# Altium PCB motorBoardPCB.PcbDoc (part 2 of 2)
Units mil, origin at the board's own origin, x right, y up, seen from the top; angles counter-clockwise.
Board outline 3897.64 x 2830 mil, 2 copper layers (Top Layer, Bottom Layer); 142 components, 160 nets, 622 pads, 155 vias.
Unrouted connection lines stored in the file: 22.
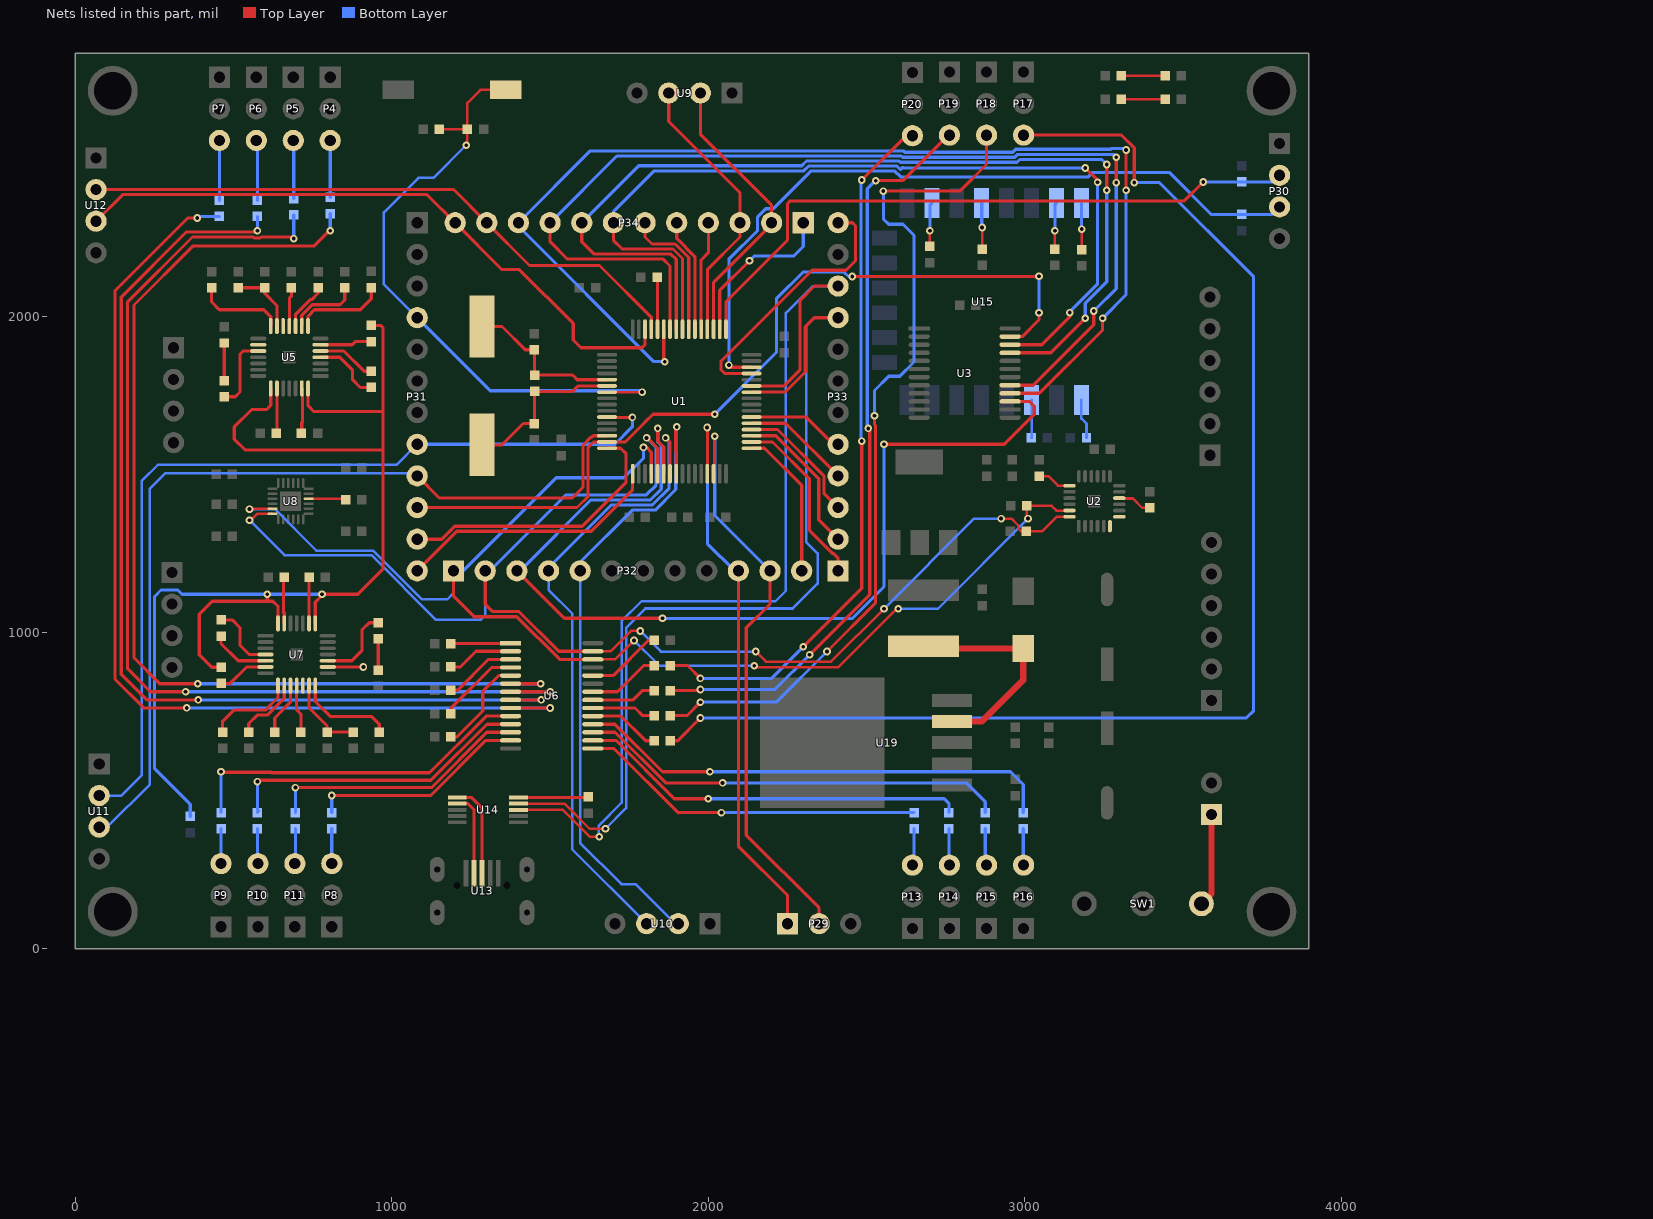
[diagram p2: the nets of this part, all layers, seen from the top]

## Via types
v1: diameter 24, hole 12, Top Layer to Bottom Layer, tented both sides, 155 vias

## Nets (pads, with @x,y where several pads share a name; then routed paths per layer and width w, separated by ;. In a path a pad name is that pad's centre, name@x,y a point inside that pad or via, vN(x,y) a via of type N, cw(c..) or ccw(c..) an arc to the next point about the centre after c; other vN are vias at no path point) (continued)
NetC3_1: C3.1 U2.19 | length 108.8
  Top Layer w8: C3.1@3045,1494.41 3074.41,1494.41 3104.6,1464.21 U2.19@3141.26,1464.21
NetC4_1: C4.1 U2.10 | length 108.9
  Top Layer w8: U2.10@3298.74,1424.84 3300,1423.59 3341.41,1423.59 3370.59,1394.41 C4.1@3395,1394.41
NetC8_1: C8.1 U5.5 | length 187.1
  Top Layer w10: U5.5@774.45,1889.69 847.94,1889.69 912.03,1825.59 C8.1@935,1825.59
NetC8_2: C8.2 U5.4 | length 217.7
  Top Layer w10: U5.4@774.45,1870 835,1870 875,1830 875,1800 900.59,1774.41 C8.2@935,1774.41
NetC9_2: C9.2 U5.6 | length 164.7
  Top Layer w10: U5.6@774.45,1909.37 874.37,1909.37 884.41,1919.41 C9.2@935,1919.41
NetC10_1: C10.1 U5.8 | length 289.3
  Top Layer w10: U5.8@735.08,1968.43 735.08,2000.08 755,2020 900,2020 935,2055 C10.1@935,2090
NetC11_1: C11.1 U7.5 | length 186.8
  Top Layer w10: C11.1@460,988.82 460,965 514.06,910.94 U7.5@600.55,910.94
NetC11_2: C11.2 U7.4 | length 218.1
  Top Layer w10: C11.2@460,1040 495,1040 520,1015 520,960 549.37,930.63 U7.4@600.55,930.63
NetC12_2: C12.2 U7.6 | length 162
  Top Layer w10: C12.2@460,839.41 489.41,839.41 541.26,891.26 U7.6@600.55,891.26
NetC13_1: C13.1 U7.8 | length 277.6
  Top Layer w10: C13.1@465,685.59 465,720 500,755 600,755 639.92,794.92 U7.8@639.92,832.2
NetC18_1: C18.1 U8.10 | length 117.9
  Top Layer w8: U8.10@737.09,1422.87 737.83,1422.13 851.69,1422.13 C18.1@853.82,1420
NetC40_1: C40.1 U14.10 | length 205.9
  Top Layer w10: U14.10@1400,479.06 C40.1@1605.94,479.06
NetD1_2: D1.2 L1.1 U19.4 | length 696.7
  Top Layer w20: L1.1@2680,956.42 2686.97,949.45 D1.2@2995,949.45 2995,850 2863.86,718.86 U19.4@2770,718.86
NetD4_1: D4.1 R56.2 | length 138.8
  Top Layer w8: R56.2@3305,2760 D4.1@3443.82,2760
NetD5_1: D5.1 R57.2 | length 138.8
  Top Layer w8: R57.2@3305,2685 D5.1@3443.82,2685
NetP26_1: P26.1 SW1.1 | length 295.2
  Top Layer w20: SW1.1@3558.04,143 3590,174.96 P26.1@3590,425
NetR5_1: R5.1 R7.1 U5.13 | length 221
  Top Layer w10: R5.1@514.16,2089.41 R7.1@598.33,2089.41 598.33,2071.67 636.65,2033.35 U5.13@636.65,1968.43
NetR8_1: R8.1 U5.9 | length 228.4
  Top Layer w10: U5.9@715.39,1968.43 715.39,2003.02 748.37,2036 836,2036 850.83,2050.83 R8.1@850.83,2089.41
NetR9_1: R9.1 U5.10 | length 153.5
  Top Layer w10: U5.10@695.71,1968.43 695.71,2005.96 741.75,2052 747,2052 766.66,2071.66 R9.1@766.66,2089.41
NetR10_2: R10.2 U6.1 | length 189.5
  Top Layer w10: R10.2@1186.18,965 1373.74,965 U6.1@1375.08,966.34
NetR11_1: R11.1 U5.11 | length 123.7
  Top Layer w10: U5.11@676.02,1968.43 676.02,2056.02 682.5,2062.5 R11.1@682.5,2089.41
NetR12_2: R12.2 U6.2 | length 209.4
  Top Layer w10: R12.2@1186.18,891.25 1216.25,891.25 1265.75,940.75 U6.2@1375.08,940.75
NetR13_2: R13.2 U6.3 | length 229.3
  Top Layer w10: R13.2@1186.18,817.5 1207.5,817.5 1305.16,915.16 U6.3@1375.08,915.16
NetR14_2: R14.2 U6.4 | length 258.9
  Top Layer w10: R14.2@1186.18,743.75 1186.18,760.18 1315.57,889.57 U6.4@1375.08,889.57
NetR15_2: R15.2 R19.1 | length 118.8
  Top Layer w10: R19.1@470,1796.18 R15.2@470,1915
NetR16_2: R16.2 U6.5 | length 305.6
  Top Layer w10: R16.2@1186.18,670 1205,670 1287,752 1287,814 1336.98,863.98 U6.5@1375.08,863.98
NetR17_2: R17.2 U6.24 | length 239.9
  Top Layer w10: U6.24@1634.92,863.98 1698.98,863.98 1810,975 R17.2@1828.82,975
NetR18_2: R18.2 U6.6 | length 3300
  Top Layer w10: v1(386.61,838.39) 266.39,838.39 185,919.77 185,2035 372,2222 754.47,2222 802.47,2270 v1(805,2270) ; U6.6@1375.08,838.39 v1(1470,838.39)
  Bottom Layer w10: v1(386.61,838.39) v1(1470,838.39) ; v1(805,2270) R18.2@805,2323.82
NetR19_2: R19.2 U5.17 | length 237.8
  Top Layer w10: R19.2@470,1745 505,1745 520,1760 520,1880 529.68,1889.69 U5.17@577.6,1889.69
NetR20_2: R20.2 U6.7 | length 3340.2
  Top Layer w10: v1@348.95,813 v1(348,813) 237,813 165,885 165,2045 370,2250 562.47,2250 565.47,2247 584.53,2247 587.53,2250 685,2250 v1(690,2245) ; U6.7@1375.08,812.8 v1(1500,812.8)
  Bottom Layer w10: v1(348,813) 447.59,813 447.8,812.8 v1(1500,812.8) ; v1(690,2245) R20.2@690,2320
NetR21_2: R21.2 U6.22 | length 228.3
  Top Layer w10: U6.22@1634.92,812.8 1712.8,812.8 1795.82,895.82 R21.2@1828.82,895.82
NetR24_2: R24.2 U6.8 | length 3211.8
  Top Layer w10: v1(388,787.2) 225.8,787.2 145,868 145,2060 351,2266 571,2266 v1(575,2270) ; U6.8@1375.08,787.2 v1(1472.2,787.2)
  Bottom Layer w10: v1(388,787.2) v1(1472.2,787.2) ; v1(575,2270) R24.2@575,2315
NetR25_2: R25.2 U6.21 | length 206.1
  Top Layer w10: U6.21@1634.92,787.2 1762.2,787.2 1791.64,816.64 R25.2@1828.82,816.64
NetR26_2: R26.2 U6.9 | length 3192.3
  Top Layer w10: v1(352,762) 216,762 125,853 125,2080.25 354.75,2310 v1(385,2310) ; U6.9@1375.08,761.61 v1(1500,761.61)
  Bottom Layer w10: v1(352,762) 352.39,761.61 v1(1500,761.61) ; v1(385,2310) 390,2315 R26.2@455,2315
NetR27_2: R27.2 U6.20 | length 203.9
  Top Layer w10: U6.20@1634.92,761.61 1768.39,761.61 1792.54,737.46 R27.2@1828.82,737.46
NetR28_2: R28.2 U6.10 | length 1119.3
  Top Layer w10: v1(460,560) 461.37,558.63 618.85,558.63 620.47,557 1118.74,557 1297.76,736.02 U6.10@1375.08,736.02
  Bottom Layer w10: R28.2@460,431.18 v1(460,560)
NetR29_2: R29.2 U6.19 | length 226.1
  Top Layer w10: U6.19@1634.92,736.02 1723.98,736.02 1801.72,658.28 R29.2@1828.82,658.28
NetR30_2: R30.2 U6.11 | length 977.2
  Top Layer w10: v1(575,529) 579,533 1123,533 1300.43,710.43 U6.11@1375.08,710.43
  Bottom Layer w10: R30.2@575,431.18 580,436.18 575,441.18 v1(575,529)
NetR31_2: R31.2 U6.18 | length 1527.8
  Top Layer w10: U6.18@1634.92,710.43 1704.57,710.43 1855,560 v1(2005,560)
  Bottom Layer w10: v1(2005,560) 2955,560 2995,520 R31.2@2995,431.18
NetR32_2: R32.2 U6.12 | length 831.3
  Top Layer w10: v1(695,510) 1125,510 1299.84,684.84 U6.12@1375.08,684.84
  Bottom Layer w10: R32.2@695,431.18 v1(695,510)
NetR33_2: R33.2 U6.17 | length 1365
  Top Layer w10: U6.17@1634.92,684.84 1705.16,684.84 1865,525 v1(2045,525)
  Bottom Layer w10: v1(2045,525) 2815,525 2875,465 R33.2@2875,431.18
NetR34_2: R34.2 U6.13 | length 691.1
  Top Layer w10: v1(810,485) 1122.63,485 1296.88,659.25 U6.13@1375.08,659.25
  Bottom Layer w10: R34.2@810,431.18 v1(810,485)
NetR35_2: R35.2 U6.16 | length 1236.4
  Top Layer w10: U6.16@1634.92,659.25 1708.12,659.25 1892.37,475 v1(2000,475)
  Bottom Layer w10: v1(2000,475) 2745,475 2760,460 R35.2@2760,431.18
NetR36_2: R36.2 U6.15 | length 1099.9
  Top Layer w10: U6.15@1634.92,633.66 1701.34,633.66 1905,430 1906.18,431.18 v1(2041.18,431.18)
  Bottom Layer w10: v1(2041.18,431.18) R36.2@2650,431.18
NetR37_1: R37.1 R39.1 U7.13 | length 252.6
  Top Layer w10: U7.13@738.35,832.2 738.35,761.65 795,705 R39.1@795,685.59 R37.1@877.5,685.59
NetR40_1: R40.1 U7.9 | length 212.2
  Top Layer w10: R40.1@547.5,685.59 547.5,712.5 574,739 606.63,739 659.61,791.98 U7.9@659.61,832.2
NetR41_1: R41.1 U7.10 | length 167
  Top Layer w10: R41.1@630,685.59 630,730 679.29,779.29 U7.10@679.29,832.2
NetR42_1: R42.1 U7.11 | length 152.2
  Top Layer w10: U7.11@698.98,832.2 698.98,756.02 712.5,742.5 R42.1@712.5,685.59
NetR43_2: R43.2 R44.1 | length 98.8
  Top Layer w10: R43.2@957,881.18 R44.1@957,980
NetR44_2: R44.2 U7.17 | length 247.5
  Top Layer w10: U7.17@797.4,910.94 872.94,910.94 905,943 905,1008 928.18,1031.18 R44.2@957,1031.18
NetR48_2: R48.2 U15.2 | length 139.7
  Top Layer w8: R48.2@2700,2220 v1(2700,2270)
  Bottom Layer w10: v1(2700,2270) 2700,2350.75 U15.2@2706.3,2357.05
NetR49_2: R49.2 U15.4 | length 136.4
  Top Layer w8: R49.2@2865,2221.18 v1(2865,2280)
  Bottom Layer w10: U15.4@2863.78,2357.05 2863.78,2281.22 v1(2865,2280)
NetR53_1: R53.1 U15.11 | length 120.5
  Bottom Layer w8: R53.1@3020,1615 3021.26,1616.26 U15.11@3021.26,1735
NetR54_1: R54.1 U15.9 | length 126.7
  Bottom Layer w8: U15.9@3178.74,1735 3178.74,1676.26 3195,1660 R54.1@3195,1615
NetR61_1: R61.1 U1.60 | length 163.5
  Top Layer w10: U1.60@1839.45,1958.5 R61.1@1839.45,2122
NetU13_2: U13.2 U14.2 | length 261.4
  Top Layer w10: U14.2@1207.01,459.37 1240.63,459.37 1259.41,440.59 U13.2@1259.41,239.41
NetU13_3: U13.3 U14.1 | length 297.7
  Top Layer w10: U14.1@1207.01,479.06 1250.94,479.06 1285,445 U13.3@1285,239.41
OSCIN: C58.2 R60.2 U1.5 X1.2 | length 509.2
  Top Layer w10: X1.2@1285,1967.01 1347.99,1967.01 1421.18,1893.82 C58.2@1450,1893.82 1451,1892.82 R60.2@1451,1813 ; R60.2@1454.59,1816.59 1457.18,1814 1571,1814 1585.94,1799.06 U1.5@1680,1799.06
OSCOUT: C59.2 R60.1 U1.6 X1.1 | length 523.8
  Top Layer w10: X1.1@1285,1592.99 1347.99,1592.99 1415.59,1660.59 C59.2@1450,1660.59 1451,1661.58 R60.1@1451,1761.82 ; R60.1@1458,1762 1572,1762 1589.37,1779.37 U1.6@1680,1779.37
PA0: P31.9 U1.14 U11.3 | length 2808.2
  Top Layer w10: P31.9@1080,1495 1150,1425 1570,1425 1604,1459 1604,1591.63 1630.58,1618.2 1633.2,1618.2 1636.89,1621.89 U1.14@1680,1621.89
  Bottom Layer w8: U11.3@75,385 100,385 235,520 235,1455 284,1504 1071,1504 P31.9@1080,1495
PA1: P31.10 U1.15 U3.23 | length 2721.4
  Top Layer w10: P31.10@1080,1395 1585,1395 1620,1430 1620,1585 1637.2,1602.2 U1.15@1680,1602.2 1737.36,1602.2 1799,1663.85 1799,1664 1825,1690 v1(2020,1690) ; v1(2455,2125) 3044,2125 v1(3045,2126) ; U3.23@2953.7,1935.16 2992.16,1935.16 3045,1988 v1(3045,2010.5)
  Bottom Layer w10: v1(2020,1690) 2215,1885 2215,2055 2299.46,2139.46 2428.42,2139.46 2442.88,2125 v1(2455,2125) ; v1(3045,2010.5) v1(3045,2126)
PA2: P31.11 U1.16 | length 891.8
  Top Layer w10: P31.11@1080,1295 1157.37,1295 1198.37,1336 1601,1336 1740,1475 1740,1565 1722.48,1582.52 U1.16@1680,1582.52
PA3: P31.12 U1.17 | length 837.7
  Top Layer w10: P31.12@1080,1195 1205,1320 1630,1320 1760.71,1450.71 U1.17@1760.71,1501.81
PA4: P32.1 R2.1 U1.20 U2.23 U6.26 U8.23 | length 4210.6
  Top Layer w8: v1(550,1390) 551.38,1391.38 U8.23@622.91,1391.38 ; U6.26@1634.92,915.16 1705.16,915.16 v1(1765,975) ; v1(2145,895) 2150,890 2410,890 2595,1075 v1(2600,1075) ; v1(3010,1360) 3006.18,1363.82 R2.1@3006.18,1400 3085,1400 3099.53,1385.47 U2.23@3141.26,1385.47
  Top Layer w10: P32.1@1195,1195 1195,1115 1260,1050 1395,1050 1529.84,915.16 U6.26@1634.92,915.16 ; v1(1795,1585) 1804.76,1585 1819.76,1570 U1.20@1819.76,1501.81
  Bottom Layer w8: v1(550,1390) 630,1390 761,1259 940.8,1259 1094.8,1105 1175,1105 1195,1125 P32.1@1195,1195 ; v1(1765,975) 1845,895 v1(2145,895) ; v1(2600,1075) 2725,1075 v1(3010,1360)
  Bottom Layer w10: P32.1@1195,1195 1225,1195 1519,1489 1733,1489 1795,1551 v1(1795,1585)
PA5: P32.2 R1.1 U1.21 U2.24 U6.27 U8.24 | length 4353.7
  Top Layer w8: v1(550,1355) 555,1355 575.63,1375.63 U8.24@622.91,1375.63 ; U6.27@1634.92,940.75 1690.75,940.75 1755,1005 v1(1785,1005) ; v1(2150,940) 2182,908 2388,908 v1(2555,1075) ; v1(2925,1360) 2957.96,1360 2978.82,1339.14 2978.82,1330 2988.82,1320 R1.1@3005,1320 3055,1320 3100.79,1365.79 U2.24@3141.26,1365.79
  Top Layer w10: P32.2@1295,1195 1295,1090 1319,1066 1401.63,1066 1526.88,940.75 U6.27@1634.92,940.75 ; v1(1805,1615) 1807.37,1615 1839.45,1582.92 U1.21@1839.45,1501.81
  Bottom Layer w8: v1(550,1355) 660,1245 935,1245 1140,1040 1280,1040 1295,1055 P32.2@1295,1195 ; v1(1785,1005) 1850,940 v1(2150,940) ; v1(2555,1075) 2840,1360 v1(2925,1360)
  Bottom Layer w10: P32.2@1295,1195 1310,1195 1550,1435 1804,1435 1835,1466 1835,1585 v1(1805,1615)
PA6: P32.3 U1.22 U3.15 | length 3248.8
  Top Layer w10: P32.3@1395,1195 1545,1045 v1(1855,1045) ; v1(1840,1645) 1840,1605 1859.13,1585.87 U1.22@1859.13,1501.81 ; v1(2555,1595) 2935,1595 3030,1690 3030,1715 3014.57,1730.43 U3.15@2953.7,1730.43
  Bottom Layer w10: P32.3@1395,1195 1405,1205 1415,1205 1629,1419 1816.63,1419 1851,1453.37 1851,1591.63 1840,1602.63 v1(1840,1645) ; v1@1855,1050 1861,1044 2454,1044 2555,1145 v1(2555,1595)
PA7: P32.4 U1.23 U10.3 | length 2021
  Top Layer w10: v1(1865,1615) 1878.82,1601.18 U1.23@1878.82,1501.81
  Bottom Layer w8: P32.4@1495,1195 1495,1135 1570,1060 1570,315 U10.3@1805,80
  Bottom Layer w10: P32.4@1495,1195 1495,1205 1693,1403 1823.25,1403 1876,1455.75 1876,1604 v1(1865,1615)
PA9: P33.9 U1.42 U14.9 | length 3027
  Top Layer w8: U14.9@1400,459.37 1545.63,459.37 1625,380 v1(1675,380)
  Top Layer w10: U1.42@2136.69,1759.69 2242.31,1759.69 2306,1823.37 2306,1966 2335,1995 P33.9@2410,1995
  Bottom Layer w8: v1(1675,380) 1740,445 1740,1015 1801,1076 2266,1076 2345,1155 2345,1250 2310,1285 2310,1970 2335,1995 P33.9@2410,1995
PA10: P33.10 U1.43 U14.8 | length 3172
  Top Layer w8: U14.8@1400,439.69 1540.32,439.69 1625,355 v1(1655,355)
  Top Layer w10: U1.43@2136.69,1779.37 2239.37,1779.37 2290,1830 2290,2050 2335,2095 P33.10@2410,2095
  Bottom Layer w8: v1(1655,355) 1653,357 1653,389.11 1726,462.11 1726,1036 1789,1099 2212,1099 2245,1132 2245,2010 2330,2095 P33.10@2410,2095
PA12: P33.12 U1.45 | length 854.4
  Top Layer w10: U1.45@2136.69,1818.74 2051.26,1818.74 2040,1830 2040,1857.37 2327.63,2145 2435,2145 2465,2175 2465,2285 2455,2295 P33.12@2410,2295
PA13: P30.3 R64.2 U1.46 | length 2367.8
  Top Layer w10: v1(2065,1845) 2071.57,1838.43 U1.46@2136.69,1838.43
  Bottom Layer w10: v1(2065,1845) 2065,2180 2155.54,2270.54 2155.54,2313.42 2181.58,2339.46 2204.72,2339.46 2323.25,2458 2589.53,2458 2607.53,2440 3201,2440 3215,2454 3456,2454 3588.82,2321.18 R64.2@3685,2321.18 3781.18,2321.18 P30.3@3805,2345
PA14: P30.2 R63.2 U1.49 | length 2069.1
  Top Layer w10: U1.49@2055.98,1958.5 2055.98,2045.98 2250,2240 2250,2355 2259,2364 3504,2364 v1(3563.82,2423.82)
  Bottom Layer w10: v1(3563.82,2423.82) R63.2@3685,2423.82 3783.82,2423.82 P30.2@3805,2445
PA15: P34.1 U1.50 | length 518.9
  Top Layer w10: U1.50@2036.3,1958.5 2036.3,2081.3 v1(2130,2175)
  Bottom Layer w10: v1(2130,2175) 2145,2190 2270,2190 2300,2220 P34.1@2300,2295
PB3: P34.6 U1.55 | length 436.3
  Top Layer w10: P34.6@1800,2295 1800,2250 1822,2228 1894.88,2228 1937.87,2185.01 U1.55@1937.87,1958.5
PB4: P34.7 U1.56 U3.22 | length 2864
  Top Layer w10: P34.7@1700,2295 1700,2240 1728,2212 1888.25,2212 1918.19,2182.07 U1.56@1918.19,1958.5 ; U3.22@2953.7,1909.57 3053.57,1909.57 3144.12,2000.12 3142,2002.24 v1(3142,2011) ; v1(3191,2468) 3230,2429 v1(3230,2423)
  Bottom Layer w10: P34.7@1700,2295 1700,2330 1829,2459 2301.63,2459 2316.63,2474 2596.15,2474 2607.15,2463 2614.15,2470 2616.15,2468 v1(3191,2468) ; v1(3142,2011) 3142,2013.63 3230,2101.63 v1(3230,2423)
PB5: P34.8 U1.57 U3.21 | length 3150.7
  Top Layer w10: P34.8@1600,2295 1600,2235 1639,2196 1881.63,2196 1898.5,2179.12 U1.57@1898.5,1958.5 ; U3.21@2953.7,1883.98 3081.98,1883.98 v1(3191,1993) ; v1@3259,2395 v1(3259,2398) v1(3259,2479)
  Bottom Layer w10: P34.8@1600,2295 1780,2475 2295,2475 2310,2490 2602.78,2490 2606.78,2486 2975.37,2486 2984.37,2495 3243,2495 v1(3259,2479) ; v1(3191,1993) 3191,2040 3259,2108 v1@3259,2395
PB6: P34.9 U1.58 U3.17 | length 3457.8
  Top Layer w10: P34.9@1500,2295 1500,2235 1555,2180 1857,2180 1878.82,2158.18 U1.58@1878.82,1958.5 ; U3.17@2953.7,1781.61 3026.61,1781.61 3218,1973 v1(3218,2016) ; v1@3289,2416 v1(3289,2422) v1(3289,2502)
  Bottom Layer w10: P34.9@1500,2295 1711,2506 2609.41,2506 2613.41,2502 2968.75,2502 2977.75,2511 3280,2511 v1(3289,2502) ; v1(3218,2016) 3289,2087 v1@3289,2416
PB7: P34.10 U1.59 U3.16 | length 3751.5
  Top Layer w10: U1.59@1859.13,1958.5 1859.13,1858.87 v1(1862,1856) ; U3.16@2953.7,1756.02 3046.02,1756.02 3246,1956 v1(3246,1993) ; v1@3320,2396 v1(3320,2398) v1(3320,2525)
  Bottom Layer w10: v1(1862,1856) 1828,1856 1400,2284 P34.10@1400,2295 1627,2522 2616.04,2522 2620.04,2518 2962.12,2518 2971.12,2527 3271.47,2527 3274.47,2530 3315,2530 v1(3320,2525) ; v1(3246,1993) 3320,2067 v1@3320,2396
PB8: P34.11 U1.61 U12.2 | length 1959.7
  Top Layer w10: U12.2@65,2400 1195,2400 P34.11@1300,2295 1435,2160 1656,2160 1819.76,1996.24 U1.61@1819.76,1958.5
PB9: P34.12 U1.62 U12.3 | length 2053.6
  Top Layer w10: U12.3@65,2300 149,2384 1111,2384 P34.12@1200,2295 1348,2147 1403,2147 1573,1977 1573,1924.63 1597.63,1900 1790,1900 1800.08,1910.08 U1.62@1800.08,1958.5
PB10: P29.1 P32.10 U1.29 | length 1828
  Top Layer w10: v1(1996,1648) 1997,1648 1997,1501.88 U1.29@1996.93,1501.81 ; P32.10@2095,1195 2095,325 2250,170 P29.1@2250,80
  Bottom Layer w10: v1(1996,1648) 1997,1648 1997,1281 2083,1195 P32.10@2095,1195
PB11: P29.2 P32.11 U1.30 | length 1858.4
  Top Layer w10: U1.30@2016.61,1501.81 2019.39,1504.59 2019.39,1619.39 v1(2020,1620) ; P32.11@2195,1195 2195,1090 2120,1015 2120,360 2350,130 P29.2@2350,80
  Bottom Layer w10: v1(2020,1620) 2020,1370 P32.11@2195,1195
PB12: P32.12 U1.33 | length 477
  Top Layer w10: U1.33@2136.69,1582.52 2177.48,1582.52 2295,1465 P32.12@2295,1195
PB13: P33.1 U1.34 | length 560.8
  Top Layer w10: U1.34@2136.69,1602.2 2202.8,1602.2 2320,1485 2320,1322.12 2391.58,1250.54 2394.46,1250.54 2410,1235 P33.1@2410,1195
PB14: P33.2 U1.35 | length 484.9
  Top Layer w10: U1.35@2136.69,1621.89 2213.11,1621.89 2349,1486 2349,1356 P33.2@2410,1295
PB15: P33.3 U1.36 | length 407.7
  Top Layer w10: U1.36@2136.69,1641.57 2218.43,1641.57 2365,1495 2365,1440 P33.3@2410,1395
PC3: P31.8 U1.11 U11.2 | length 2822.7
  Top Layer w10: U1.11@1680,1680.94 1680.94,1680 v1(1760,1680)
  Bottom Layer w8: U11.2@75,485 145,485 210,550 210,1480 260,1530 1015,1530 P31.8@1080,1595
  Bottom Layer w10: P31.8@1080,1595 1705,1595 1760,1650 v1(1760,1680)
PC4: P32.5 U1.24 U10.2 | length 2049.8
  Top Layer w10: U1.24@1898.5,1501.81 1898.5,1572.44 1897,1573.94 1897,1647 v1(1900,1650)
  Bottom Layer w8: P32.5@1595,1195 1595,335 1725,205 1770,205 1895,80 U10.2@1905,80
  Bottom Layer w10: P32.5@1595,1195 1595,1223 1759,1387 1832,1387 1897,1452 1897,1647 v1(1900,1650)
PC6: P33.4 U1.37 | length 342.2
  Top Layer w10: U1.37@2136.69,1661.26 2243.74,1661.26 P33.4@2410,1495
PC7: P33.5 U1.38 | length 308.9
  Top Layer w10: U1.38@2136.69,1680.94 2309.06,1680.94 2395,1595 P33.5@2410,1595
PC10: P34.2 U1.51 U9.2 | length 915.7
  Top Layer w10: U9.2@1975,2705 1975,2575 2200,2350 P34.2@2200,2295 2200,2290 2016.61,2106.61 U1.51@2016.61,1958.5
PC11: P34.3 U1.52 U9.3 | length 882.4
  Top Layer w10: U9.3@1875,2705 1875,2615 2100,2390 P34.3@2100,2295 2100,2250 1996.93,2146.93 U1.52@1996.93,1958.5
PC12: P34.4 U1.53 | length 345.9
  Top Layer w10: U1.53@1977.24,1958.5 1977.24,2177.24 2000,2200 P34.4@2000,2295
PD2: P34.5 U1.54 | length 360.3
  Top Layer w10: P34.5@1900,2295 1900,2245.51 1957.56,2187.95 U1.54@1957.56,1958.5
PWM1: P4.3 R18.1 | length 180
  Bottom Layer w10: R18.1@805,2375 P4.3@805,2555
PWM2: P5.3 R20.1 | length 184.5
  Bottom Layer w10: P5.3@688.33,2555 690,2553.33 R20.1@690,2371.18
PWM3: P6.3 R24.1 | length 190.2
  Bottom Layer w10: P6.3@571.67,2555 575,2551.67 R24.1@575,2366.18
PWM4: P7.3 R26.1 | length 188.8
  Bottom Layer w10: R26.1@455,2366.18 P7.3@455,2555
PWM5: P9.3 R28.1 | length 110
  Bottom Layer w10: P9.3@460,270 R28.1@460,380
PWM6: P10.3 R30.1 | length 110.7
  Bottom Layer w10: R30.1@575,380 575,271.67 P10.3@576.67,270
PWM7: P11.3 R32.1 | length 110.7
  Bottom Layer w10: P11.3@693.33,270 695,271.67 R32.1@695,380
PWM8: P8.3 R34.1 | length 110
  Bottom Layer w10: P8.3@810,270 R34.1@810,380
PWM9: P13.3 R36.1 | length 117.1
  Bottom Layer w10: P13.3@2645,265 2650,270 R36.1@2650,380
PWM10: P14.3 R35.1 | length 115.8
  Bottom Layer w10: R35.1@2760,380 2760,267.02 P14.3@2762.02,265
PWM11: P15.3 R33.1 | length 116.7
  Bottom Layer w10: R33.1@2875,380 2875,269.04 P15.3@2879.04,265
PWM12: P16.3 R31.1 | length 115.4
  Bottom Layer w10: R31.1@2995,380 2995,266.06 P16.3@2996.06,265
PWM13: P17.3 R29.1 | length 4229.8
  Top Layer w10: R29.1@1880,658.28 1903.28,658.28 v1(1975,730) ; P17.3@2996.06,2571.81 3305.72,2571.81 3346,2531.53 v1(3346,2422)
  Bottom Layer w10: v1(1975,730) 3700,730 3723,753 3723,2124 3425,2422 v1(3346,2422)
PWM14: P18.3 R27.1 | length 2691
  Top Layer w10: R27.1@1880,737.46 1932.46,737.46 v1(1975,780) ; v1(2375,940) 2528,1093 2528,1654.53 2525,1657.53 v1(2525,1685) ; v1(2553,2395) 2795,2395 2879.04,2479.04 P18.3@2879.04,2571.81
  Bottom Layer w10: v1(1975,780) 2215,780 v1(2375,940) ; v1(2525,1685) 2525,1765 2570,1810 2605,1810 2650,1855 2650,2255 2615,2290 2570,2290 2553,2307 v1(2553,2395)
PWM15: P19.3 R25.1 | length 2371.3
  Top Layer w10: R25.1@1880,816.64 1971.64,816.64 v1(1975,820) ; v1(2320,930) 2510,1120 2510,1640 v1(2505,1645) ; v1(2529,2428) 2613.79,2428 2757.6,2571.81 P19.3@2762.02,2571.81
  Bottom Layer w10: v1(1975,820) 2210,820 v1(2320,930) ; v1(2505,1645) 2502,1648 2502,2402 2528,2428 v1(2529,2428)
PWM16: P20.3 R21.1 | length 2250.4
  Top Layer w10: R21.1@1880,895.82 1934.18,895.82 v1(1975,855) ; v1(2300,955) 2485,1140 v1(2485,1605) ; v1(2485,2430) 2625,2570 P20.3@2645,2570
  Bottom Layer w10: v1(1975,855) 2200,855 v1(2300,955) ; v1(2485,1605) 2482,1608 2482,2427 v1(2485,2430)
RESET: C60.2 P31.4 R65.2 RESET.2 U1.7 | length 2005.6
  Top Layer w8: C60.2@1150,2590 R65.2@1238.82,2590 ; v1(1235,2540) 1238.82,2543.82 R65.2@1238.82,2590 ; RESET.2@1360,2715 1280,2715 1238.82,2673.82 R65.2@1238.82,2590 ; U1.7@1680,1759.69 v1(1790.68,1759.69)
  Bottom Layer w8: P31.4@1080,1995 975,2100 975,2328 1084,2437 1132,2437 v1(1235,2540)
  Bottom Layer w10: P31.4@1080,1995 1311,1764 1786.37,1764 v1(1790.68,1759.69)
RST1: U5.12
RST2: U7.12
S1: R23.1 R46.1 U5.23 U7.23 | length 288.2
  Top Layer w10: R23.1@635,1630 636.65,1631.65 U5.23@636.65,1771.57 ; U7.23@738.35,1029.06 R46.1@738.35,1175
S2: R22.1 R45.1 U5.27 U7.27 | length 293.7
  Top Layer w10: U7.27@659.61,1029.06 660,1029.45 660,1062.47 657,1065.47 657,1172 R45.1@660,1175 ; U5.27@715.39,1771.57 718,1768.97 718,1665.47 715.39,1662.87 715.39,1633.43 R22.1@718.82,1630
SLP: R6.1 R38.1 U5.14 U7.14 | length 586.9
  Top Layer w10: R6.1@429.99,2089.41 429.99,2045.01 455,2020 595,2020 616.97,1998.03 U5.14@616.97,1968.43 ; U7.14@758.03,832.2 758.03,781.97 805,735 935,735 960,710 R38.1@960,685.59
STEP1: U5.16
STEP2: U7.16 | length 112.6
  Top Layer w10: U7.16@797.4,891.26 v1(910,891.26)
VMM: C9.1 C12.1 R58.1 U5.22 U5.28 U7.22 U7.28 | length 3993.1
  Top Layer w10: C12.1@460,890.59 430.41,890.59 391,930 391,1058 432,1099 604,1099 ; v1(606,1121) 606,1101 604,1099 ; U5.22@616.97,1771.57 616.97,1717.97 604,1705 557,1705 502,1650 502,1611 536,1577 971.54,1577 ; U7.28@639.92,1029.06 639.92,1083.08 624,1099 604,1099 ; U5.28@735.08,1771.57 735.08,1716.92 754,1698 970,1698 ; U7.22@758.03,1029.06 758.03,1096.03 779,1117 v1(779,1121) 892,1121 971.54,1200.54 971.54,1577 ; C9.1@935,1970.59 964.41,1970.59 971.54,1963.46 971.54,1577 ; 972,1577 971.54,1577
  Bottom Layer w10: R58.1@363,419.18 363,457 250,570 250,1114 270.46,1134.46 323.42,1134.46 336.88,1121 v1(606,1121) v1(779,1121)
WIFI_RXD: R52.2 U15.7 | length 147.9
  Top Layer w8: R52.2@3095,2211.18 v1(3095,2270)
  Bottom Layer w10: v1(3095,2270) 3095,2352.05 U15.7@3100,2357.05
WIFI_TXD: R55.2 U15.8 | length 147.6
  Top Layer w8: R55.2@3180,2210 v1(3180,2275)
  Bottom Layer w10: U15.8@3178.74,2357.05 3178.74,2276.26 v1(3180,2275)
XCL: U2.7
XDA: U2.6
pads on no net: SW1.3 U1.1 U2.2 U2.3 U2.4 U2.5 U2.14 U2.15 U2.16 U2.17 U2.20 U2.21 U2.22 U2.25 U3.3 U3.4 U3.9 U3.10 U5.7 U5.20 U5.25 U6.23 U6.25 U7.7 U7.20 U7.25 U8.2 U8.3 U8.4 U8.5 U8.6 U8.14 U8.15 U8.16 U8.17 U8.19 U8.25 U13.0 U13.4 U14.4 U14.5 U14.6 U15.3 U15.5 U15.6 U15.10 U15.12 U15.13 U15.14 U15.15 U15.17 U15.18 U15.19 U15.20 U15.21 U15.22

## Polygon pours and split planes (outlines as drawn)
12V on Top Layer "12V" (solid, remove dead copper, pour order 12): 2975,1715 2990,1700 2990,1670 2985,1665 2830,1665 2825,1670 2825,1710 2830,1715
AO1 on Top Layer "AO1" (solid, remove dead copper, pour order 4): 2635,1970 2630,1965 2630,1930 2635,1925 2700,1925 2705,1930 2705,1965 2700,1970
AO2 on Top Layer "AO2" (solid, remove dead copper, pour order 6): 2635,1865 2630,1860 2630,1830 2635,1825 2700,1825 2705,1830 2705,1860 2700,1865
BO2 on Top Layer "BO2" (solid, remove dead copper, pour order 8): 2635,1815 2630,1810 2630,1780 2635,1775 2695,1775 2700,1780 2700,1810 2695,1815
BO1 on Top Layer "BO1" (solid, remove dead copper, pour order 10): 2640,1715 2630,1705 2630,1680 2640,1670 2695,1670 2705,1680 2705,1705 2695,1715
5V on Top Layer "5V" (solid, remove dead copper, pour order 14): 2923,1870 2913,1860 2913,1834 2923,1824 2924,1825 2988,1825 2997,1834 2997,1862 2995,1862 2986,1871
GND on Top Layer "GND" (solid, remove dead copper, pour order 20): -133,3010 -133,140 -208,65 12,-155 3926,-155 4250,169 4250,2810 4246,2810 4071,2985
GND on Bottom Layer "GND" (solid, remove dead copper, pour order 22): 251,3096 -96,2749 -327,2749 -327,-28 -96,-259 3929,-259 4386,198 4386,2572 4361,2572 3886,3047

## Keep-outs
Keep-Out Layer:
  lines w3.94: 4860,-690 4870,-680 ; 0,0 3897.64,0 3897.64,2830 0,2830 0,0

## Silkscreen, mask and mechanical layers (free items; w line width, h text height)
Top Overlay:
  text "GND" at 2515,2760 h25
  text "GND" at 315,2740 h25
  text "5V" at 2539,2654 h25
  text "5V" at 320,2640 h25
  text "PC11" at 1845,2603 h25
  text "GND" at 1747,2602 h25
  text "PC10" at 1943,2601 h25
  text "5V" at 2060,2600 h25
  text "3V3" at 3680,2535 h25
  text "5V" at 140,2505 h25
  text "PWM16" at 2570,2470 h25
  text "PWM15" at 2705,2470 h25
  text "PWM14" at 2835,2470 h25
  text "PWM13" at 2965,2470 h25
  text "PWM4" at 405,2455 h25
  text "PWM3" at 525,2455 h25
  text "PWM2" at 645,2455 h25
  text "PWM1" at 765,2455 h25
  text "SWDIO" at 3640,2430 h25
  text "PB8" at 140,2392 h25
  text "PC10" at 2160,2368 h25
  text "PA15" at 2265,2368 h25
  text "PD2" at 1875,2366 h25
  text "PC12" at 1970,2366 h25
  text "PC11" at 2066,2365 h25
  text "PB8" at 1268,2364 h25
  text "PB3" at 1775,2364 h25
  text "PB9" at 1174,2363 h25
  text "PB7" at 1371,2363 h25
  text "PB6" at 1473,2363 h25
  text "PB4" at 1676,2363 h25
  text "PB5" at 1574,2361 h25
  text "SWCLK" at 3635,2330 h25
  text "PB9" at 137,2289 h25
  text "C13" at 956,2289 h25
  text "PA12" at 2477,2285 h25
  text "GND" at 3640,2230 h25
  text "GND" at 140,2200 h25
  text "C14" at 1141,2184 h25
  text "PA11" at 2480,2181 h25
  text "PA10" at 2477,2082 h25
  text "C15" at 1145,2080 h25
  text "AO1" at 3466.74,2049 h25
  text "PA9" at 2475,1986 h25
  text "RST" at 967,1982 h25
  text "GND" at 3454,1944 h25
  text "PA8" at 2474,1891 h25
  text "AO1" at 365,1890 h25
  text "C0" at 986,1889 h25
  text "CH2" at 3459.71,1844 h25
  text "PC9" at 2474,1793 h25
  text "BO1" at 365,1785 h25
  text "C1" at 986,1784 h25
  text "CH1" at 3465.66,1744 h25
  text "PC8" at 2475,1690 h25
  text "AO2" at 355,1685 h25
  text "C2" at 976,1682 h25
  text "5V" at 3482.8,1649 h25
  text "PC7" at 2471,1588 h25
  text "BO2" at 360,1585 h25
  text "C3" at 978,1582 h25
  text "AO2" at 3460.78,1549 h25
  text "A0" at 1141,1482 h25
  text "PC6" at 2288,1482 h25
  text "PB15" at 2265,1386 h25
  text "A1" at 1145,1383 h25
  text "A2" at 1151,1309 h25
  text "BO1" at 3465,1275 h25
  text "PB14" at 2474,1274 h25
  text "AO1" at 360,1180 h25
  text "PB13" at 2471,1176 h25
  text "GND" at 3465,1170 h25
  text "PB1" at 1868,1108 h25
  text "PB2" at 1967,1108 h25
  text "PB11" at 2164,1107 h25
  text "PC5" at 1659,1105 h25
  text "PB0" at 1767,1105 h25
  text "PB10" at 2059,1105 h25
  text "A3" at 1055,1104 h25
  text "PB12" at 2256,1104 h25
  text "PC4" at 1565,1103 h25
  text "PA4" at 1161,1102 h25
  text "PA5" at 1259,1102 h25
  text "PA6" at 1367,1102 h25
  text "PA7" at 1464,1102 h25
  text "BO1" at 360,1075 h25
  text "CH2" at 3465,1065 h25
  text "AO2" at 350,975 h25
  text "CH1" at 3470,970 h25
  text "BO2" at 355,875 h25
  text "5V" at 3470,870 h25
  text "BO2" at 3470,770 h25
  text "5V" at 145,575 h25
  text "GND" at 3470,510 h25
  text "PC3" at 140,477 h25
  text "12V" at 3480,410 h25
  text "PA0" at 146,377 h25
  text "PWM5" at 415,340 h25
  text "PWM6" at 530,340 h25
  text "PWM7" at 650,340 h25
  text "PWM8" at 765,340 h25
  text "PWM9" at 2600,335 h25
  text "PWM10" at 2715,335 h25
  text "PWM11" at 2845,335 h25
  text "PWM12" at 2965,335 h25
  text "GND" at 145,275 h25
  text "USART2" at 2300,195 h25
  text "LEFT_WAVE" at 1761,186 h25
  text "5V" at 890,155 h25
  text "B10_T" at 2190,150 h25
  text "B11_R" at 2315,150 h25
  text "GND" at 2435,150 h25
  text "5V" at 2535,150 h25
  text "PC4" at 1876,145 h25
  text "5V" at 1986,144 h25
  text "PA7" at 1777,143 h25
  text "GND" at 1661,142 h25
  text "GND" at 880,50 h25
  text "GND" at 2515,50 h25